# KiCad board SmartSpin2k_Panelized.kicad_pcb (continued)
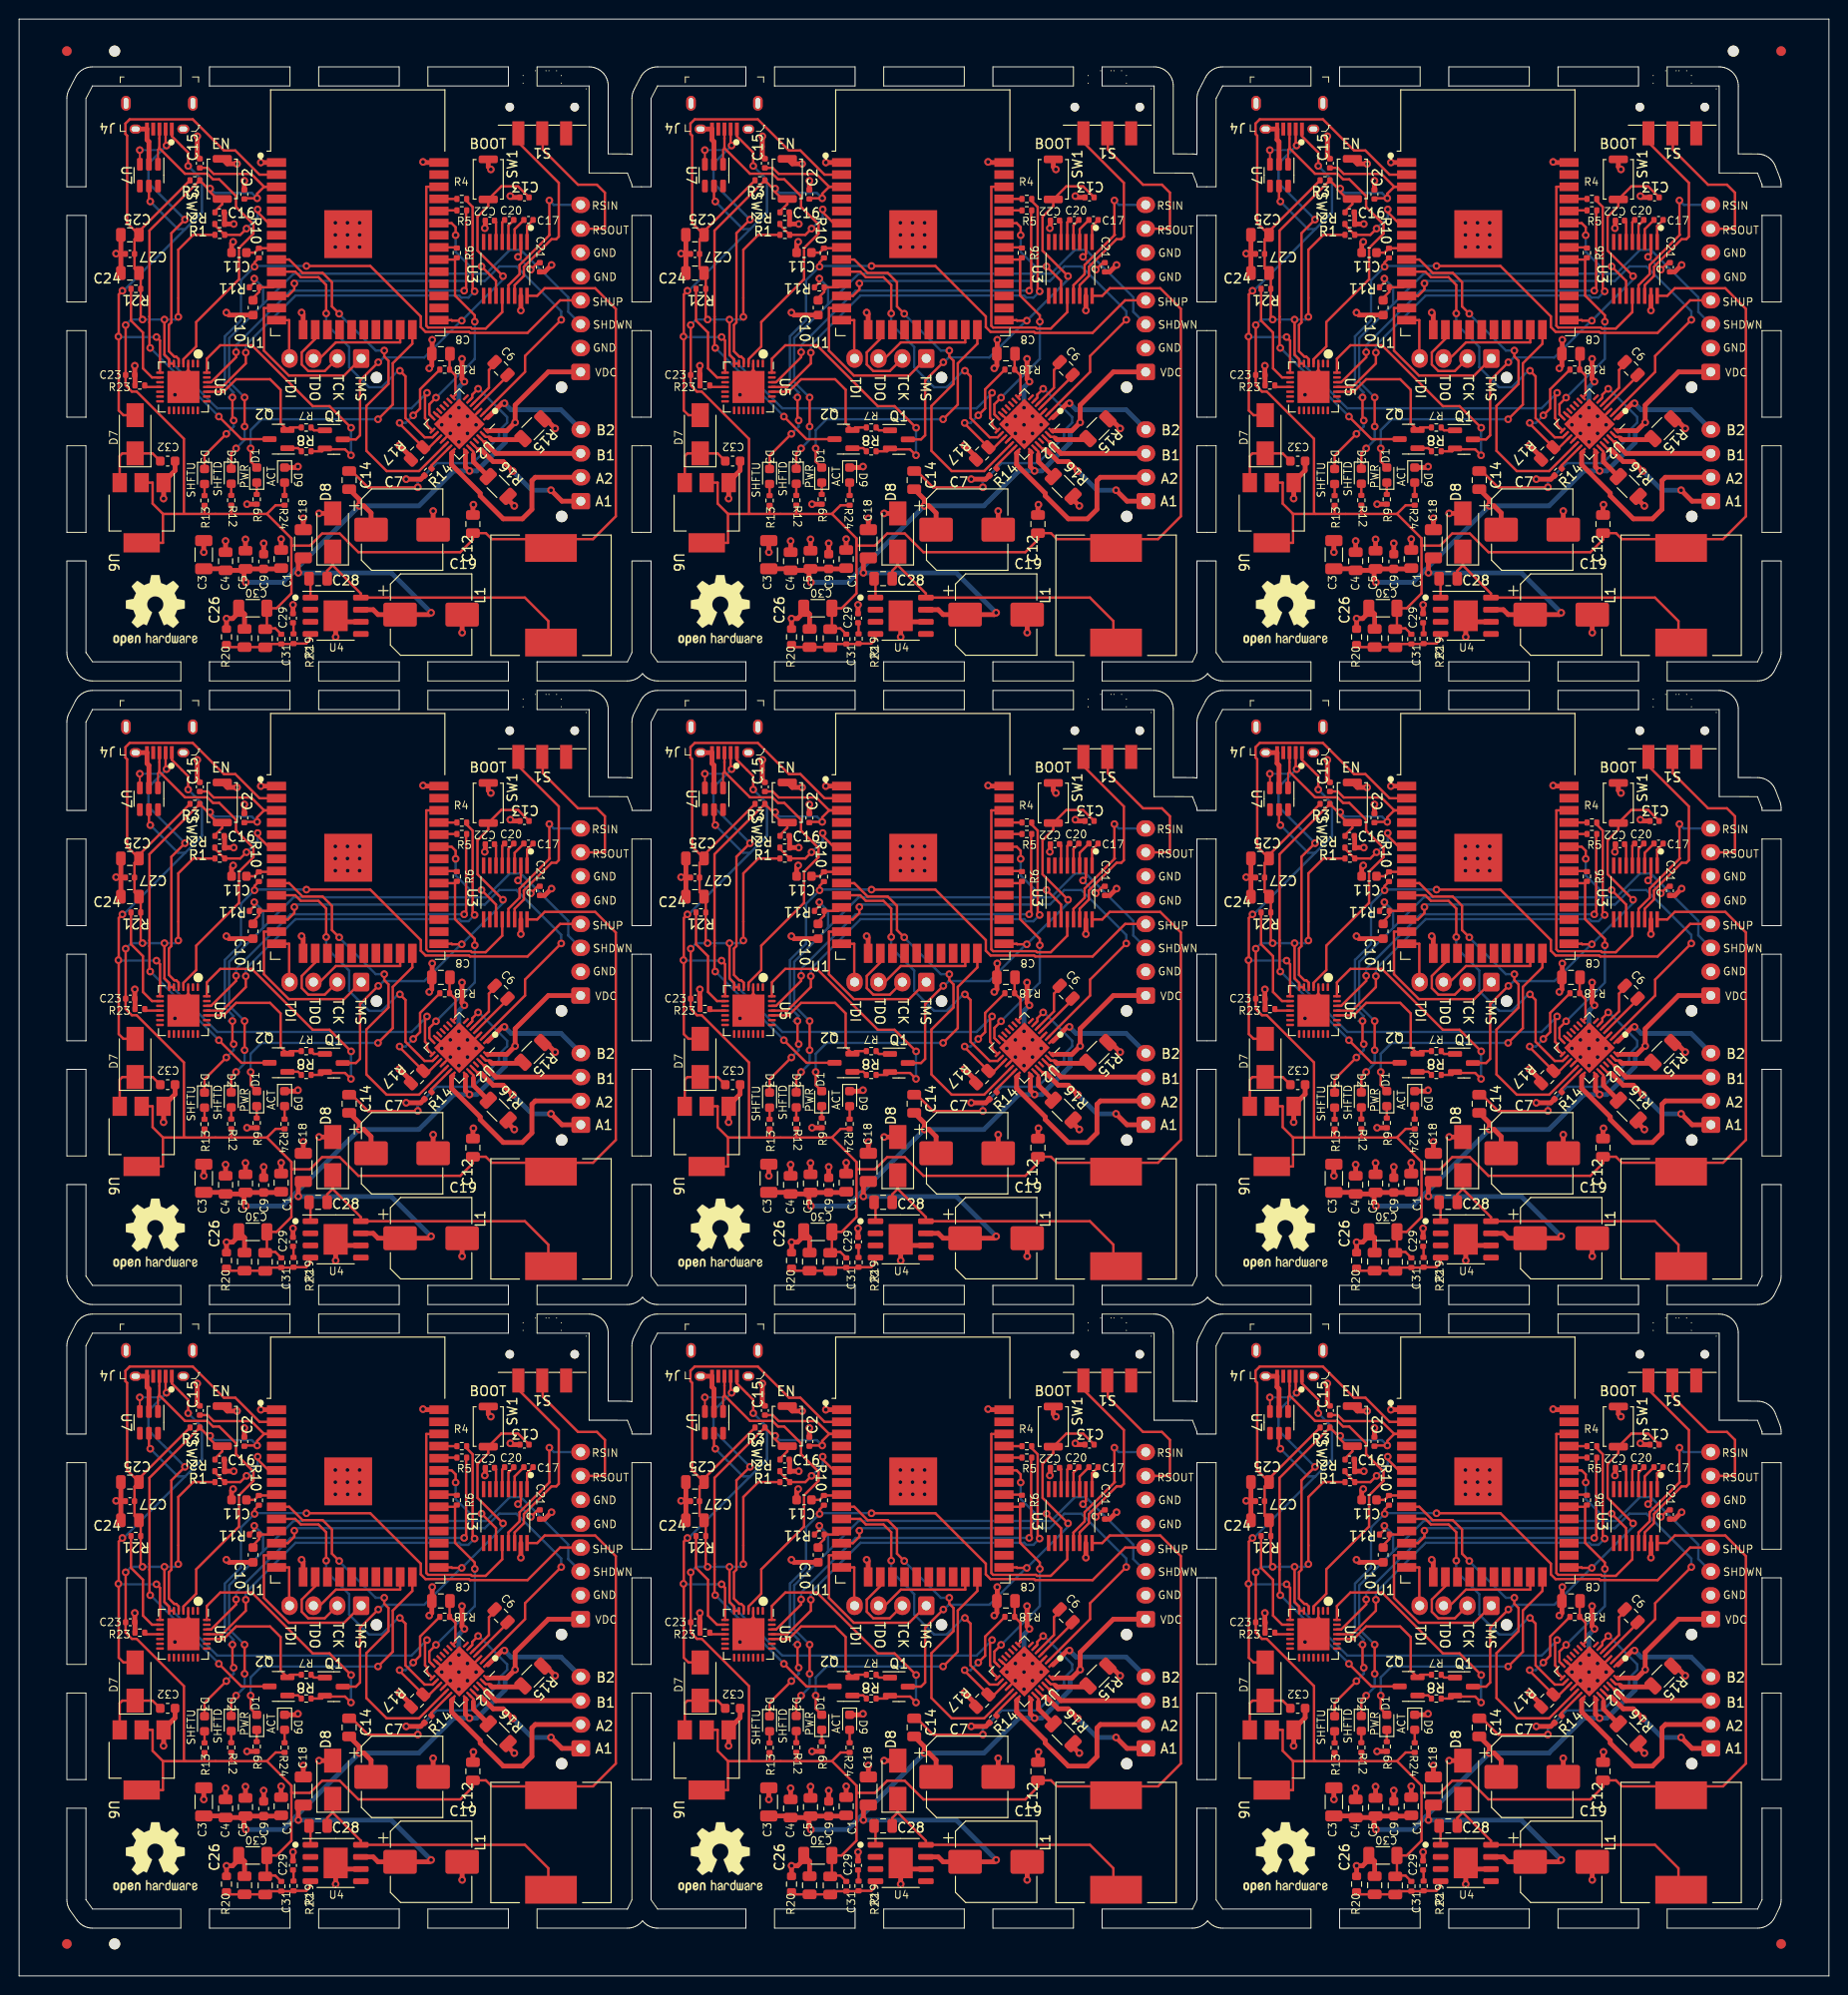
[diagram p0: board, top side]
## Routing (per net, layer and track width the routed paths; a pad name or vN(x,y) marks a point on that pad's centre or on a via; arc(x,y) is an arc through that point) (continued)
Board_3-/5V: length 4.9
  Top w0.25: C8.1 45.06,104.52 R18#3.1 45.67,102.29 45.67,100.27 U2#3.8
Board_3-/VBUS: length 50.8
  Top w0.25: v1(10.81,111.16) 10.43,110.77 10.43,106.4 v1(10.39,106.36) 10.43,106.32 10.43,98.62 10.92,98.12 D7#5.2 ; v1(17.7,124.23) 17.7,125.63 15.99,127.34 J4#3.1 ; U5#3.8 14.75,105.94 v1(14.38,106.31) ; U7#2.5 13.59,120.64 v1(13.73,120.5)
  Bottom w0.25: 17.39,117.61 19.14,119.36 19.14,122.79 v1(17.7,124.23) ; 17.39,117.61 16.62,117.61 v1(13.73,120.5) ; 17.39,117.61 10.94,111.16 v1(10.81,111.16) ; v1(14.38,106.31) 10.44,106.31 v1(10.39,106.36)
Board_4-/3V3: length 244.3
  Top w0.25: 85.09,87.79 81.35,87.79 ; 85.09,87.79 87.65,85.23 ; 85.09,87.79 86,88.7 R24#7.2 ; 78.56,87.79 78.56,87.79 R13#9.1 ; 78.56,87.79 81.35,87.79 ; 78.56,87.79 74.21,87.79 ; 74.21,87.79 73.13,88.87 73.13,91.06 U6.2 ; 74.21,87.79 74.21,84.76 U6.2 ; 87.65,85.23 87.65,79.46 86.1,77.91 C30#3.1 85.08,75.81 ; 87.65,85.23 87.65,84.47 89.6,84.47 90.87,85.74 92.71,85.74 94.66,83.78 105.33,83.78 106.65,85.1 C12#6.1 108.01,85.78 108.64,85.15 119.22,85.15 121.61,87.54 121.61,109.26 119.46,111.42 114.17,111.42 113.38,110.62 U3#4.16 ; v1(70.3,107.56) 70.3,102.33 C23#3.1 70.3,101.25 70.95,100.59 71.46,100.59 76.4,95.65 76.4,87.79 ; R1#6.1 77.37,117.01 75.81,115.45 v1(75.81,108.42) ; 85.08,75.81 85.97,75.81 R22#6.2 ; 85.08,75.81 85,75.81 C31.2 ; R12#6.2 81.36,87.79 81.35,87.79 ; C25.1 71.23,116.54 C27#4.1 71.23,113.48 C24#3.2 71.88,112.83 R21#6.1 71.88,108.33 v1(72.07,108.14) ; C25.1 71.7,117.38 R3#9.1 ; C25.1 70.46,118.25 70.46,127.4 70.28,127.57 70.28,128.66 70.72,129.1 77.33,129.1 80.59,125.84 81.78,125.84 84.31,123.31 U1#3.2 ; v1(101.85,100.47) 101.64,100.26 101.64,97.82 101.85,97.61 101.85,97.09 U2#6.15 ; U5#2.6 U5#2.7 74.85,103.98 74.36,104.47 v1(74.36,108.14)
  Bottom w0.25: v1(70.3,107.56) 70.88,108.14 v1(72.07,108.14) v1(74.36,108.14) ; v1(74.36,108.14) 74.36,104.37 79.89,98.84 100.22,98.84 v1(101.85,100.47) ; v1(74.36,108.14) 75.53,108.14 v1(75.81,108.42)
Board_4-/5V: length 4.9
  Top w0.25: C8#2.1 104.21,104.52 R18#5.1 104.82,102.29 104.82,100.27 U2#6.8
Board_4-/VBUS: length 50.8
  Top w0.25: v1(69.96,111.16) 69.58,110.77 69.58,106.4 v1(69.54,106.36) 69.58,106.32 69.58,98.62 70.07,98.12 D7#9.2 ; v1(76.85,124.23) 76.85,125.63 75.14,127.34 J4#5.1 ; U5#2.8 73.9,105.94 v1(73.53,106.31) ; U7#6.5 72.74,120.64 v1(72.88,120.5)
  Bottom w0.25: 76.54,117.61 78.29,119.36 78.29,122.79 v1(76.85,124.23) ; 76.54,117.61 75.77,117.61 v1(72.88,120.5) ; 76.54,117.61 70.09,111.16 v1(69.96,111.16) ; v1(73.53,106.31) 69.59,106.31 v1(69.54,106.36)
Board_5-/3V3: length 244.3
  Top w0.25: 144.24,87.79 140.5,87.79 ; 144.24,87.79 146.8,85.23 ; 144.24,87.79 145.15,88.7 R24#9.2 ; 137.71,87.79 137.71,87.79 R13#7.1 ; 137.71,87.79 140.5,87.79 ; 137.71,87.79 133.36,87.79 ; 133.36,87.79 132.28,88.87 132.28,91.06 U6#5.2 ; 133.36,87.79 133.36,84.76 U6#5.2 ; 146.8,85.23 146.8,79.46 145.25,77.91 144.24,77.91 144.24,75.81 ; 146.8,85.23 146.8,84.47 148.75,84.47 150.02,85.74 151.86,85.74 153.81,83.78 164.48,83.78 165.8,85.1 C12#2.1 167.16,85.78 167.79,85.15 178.38,85.15 180.76,87.54 180.76,109.26 178.6,111.42 173.32,111.42 172.53,110.62 U3#5.16 ; v1(129.45,107.56) 129.45,102.33 C23#7.1 129.45,101.25 130.1,100.59 130.61,100.59 135.55,95.65 135.55,87.79 ; R1.1 136.52,117.01 134.96,115.45 v1(134.96,108.42) ; 144.24,75.81 145.12,75.81 R22#8.2 ; 144.24,75.81 144.15,75.81 C31#7.2 ; R12#3.2 140.5,87.79 140.5,87.79 ; C25#7.1 130.38,116.54 C27#8.1 130.38,113.48 C24#6.2 131.03,112.83 R21#3.1 131.03,108.33 v1(131.22,108.14) ; C25#7.1 130.85,117.38 R3.1 ; C25#7.1 129.61,118.25 129.61,127.4 129.43,127.57 129.43,128.66 129.87,129.1 136.48,129.1 139.74,125.84 140.93,125.84 143.46,123.31 U1#7.2 ; v1(161,100.47) 160.79,100.26 160.79,97.82 161,97.61 161,97.09 U2#5.15 ; U5#9.6 U5#9.7 134,103.98 133.51,104.47 v1(133.51,108.14)
  Bottom w0.25: v1(129.45,107.56) 130.03,108.14 v1(131.22,108.14) v1(133.51,108.14) ; v1(133.51,108.14) 133.51,104.37 139.04,98.84 159.37,98.84 v1(161,100.47) ; v1(133.51,108.14) 134.68,108.14 v1(134.96,108.42)
Board_5-/5V: length 4.9
  Top w0.25: C8#3.1 163.36,104.52 R18#2.1 163.97,102.29 163.97,100.27 U2#5.8
Board_5-/VBUS: length 50.8
  Top w0.25: v1(129.11,111.16) 128.73,110.77 128.73,106.4 v1(128.69,106.36) 128.73,106.32 128.73,98.62 129.22,98.12 D7#4.2 ; v1(136,124.23) 136,125.63 134.29,127.34 J4#8.1 ; U5#9.8 133.05,105.94 v1(132.68,106.31) ; U7#5.5 131.89,120.64 v1(132.03,120.5)
  Bottom w0.25: 135.69,117.61 137.44,119.36 137.44,122.79 v1(136,124.23) ; 135.69,117.61 134.92,117.61 v1(132.03,120.5) ; 135.69,117.61 129.24,111.16 v1(129.11,111.16) ; v1(132.68,106.31) 128.74,106.31 v1(128.69,106.36)
Board_6-/3V3: length 244.3
  Top w0.25: 25.94,22.49 22.2,22.49 ; 25.94,22.49 28.5,19.93 ; 25.94,22.49 26.85,23.4 R24#8.2 ; 19.41,22.49 19.41,22.49 R13#4.1 ; 19.41,22.49 22.2,22.49 ; 19.41,22.49 15.06,22.49 ; 15.06,22.49 13.98,23.57 13.98,25.76 U6#9.2 ; 15.06,22.49 15.06,19.46 U6#9.2 ; 28.5,19.93 28.5,14.16 26.95,12.61 C30#7.1 25.94,10.51 ; 28.5,19.93 28.5,19.17 30.45,19.17 31.72,20.44 33.56,20.44 35.51,18.48 46.18,18.48 47.5,19.8 C12#7.1 48.86,20.48 49.49,19.85 60.08,19.85 62.46,22.24 62.46,43.96 60.31,46.12 55.02,46.12 54.23,45.32 U3#8.16 ; v1(11.15,42.26) 11.15,37.03 C23#2.1 11.15,35.95 11.8,35.29 12.31,35.29 17.25,30.35 17.25,22.49 ; R1#9.1 18.22,51.71 16.66,50.15 v1(16.66,43.12) ; 25.94,10.51 26.82,10.51 R22.2 ; 25.94,10.51 25.85,10.51 C31#4.2 ; R12#4.2 22.2,22.49 22.2,22.49 ; C25#5.1 12.08,51.24 C27#3.1 12.08,48.18 C24#5.2 12.73,47.53 R21#7.1 12.73,43.03 v1(12.92,42.84) ; C25#5.1 12.55,52.08 R3#6.1 ; C25#5.1 11.31,52.95 11.31,62.1 11.13,62.27 11.13,63.36 11.57,63.8 18.18,63.8 21.44,60.54 22.63,60.54 25.16,58.01 U1#5.2 ; v1(42.7,35.17) 42.49,34.96 42.49,32.52 42.7,32.31 42.7,31.79 U2#7.15 ; U5.6 U5.7 15.7,38.68 15.21,39.17 v1(15.21,42.84)
  Bottom w0.25: v1(11.15,42.26) 11.73,42.84 v1(12.92,42.84) v1(15.21,42.84) ; v1(15.21,42.84) 15.21,39.07 20.74,33.54 41.07,33.54 v1(42.7,35.17) ; v1(15.21,42.84) 16.38,42.84 v1(16.66,43.12)
Board_6-/5V: length 4.9
  Top w0.25: C8#5.1 45.06,39.22 R18#7.1 45.67,36.99 45.67,34.97 U2#7.8
Board_6-/VBUS: length 50.8
  Top w0.25: v1(10.81,45.86) 10.43,45.47 10.43,41.1 v1(10.39,41.06) 10.43,41.02 10.43,33.32 10.92,32.82 D7#2.2 ; v1(17.7,58.93) 17.7,60.33 15.99,62.04 J4#6.1 ; U5.8 14.75,40.64 v1(14.38,41.01) ; U7#7.5 13.59,55.34 v1(13.73,55.2)
  Bottom w0.25: 17.39,52.31 19.14,54.06 19.14,57.49 v1(17.7,58.93) ; 17.39,52.31 16.62,52.31 v1(13.73,55.2) ; 17.39,52.31 10.94,45.86 v1(10.81,45.86) ; v1(14.38,41.01) 10.44,41.01 v1(10.39,41.06)
Board_7-/3V3: length 244.3
  Top w0.25: 85.09,22.49 81.35,22.49 ; 85.09,22.49 87.65,19.93 ; 85.09,22.49 86,23.4 R24#2.2 ; 78.56,22.49 78.56,22.49 R13#3.1 ; 78.56,22.49 81.35,22.49 ; 78.56,22.49 74.21,22.49 ; 74.21,22.49 73.13,23.57 73.13,25.76 U6#4.2 ; 74.21,22.49 74.21,19.46 U6#4.2 ; 87.65,19.93 87.65,14.16 86.1,12.61 C30#8.1 85.08,10.51 ; 87.65,19.93 87.65,19.17 89.6,19.17 90.87,20.44 92.71,20.44 94.66,18.48 105.33,18.48 106.65,19.8 C12.1 108.01,20.48 108.64,19.85 119.22,19.85 121.61,22.24 121.61,43.96 119.46,46.12 114.17,46.12 113.38,45.32 U3.16 ; v1(70.3,42.26) 70.3,37.03 C23.1 70.3,35.95 70.95,35.29 71.46,35.29 76.4,30.35 76.4,22.49 ; R1#5.1 77.37,51.71 75.81,50.15 v1(75.81,43.12) ; 85.08,10.51 85.97,10.51 R22#7.2 ; 85.08,10.51 85,10.51 C31#9.2 ; R12#7.2 81.36,22.49 81.35,22.49 ; C25#9.1 71.23,51.24 C27#9.1 71.23,48.18 C24.2 71.88,47.53 R21#9.1 71.88,43.03 v1(72.07,42.84) ; C25#9.1 71.7,52.08 R3#7.1 ; C25#9.1 70.46,52.95 70.46,62.1 70.28,62.27 70.28,63.36 70.72,63.8 77.33,63.8 80.59,60.54 81.78,60.54 84.31,58.01 U1#9.2 ; v1(101.85,35.17) 101.64,34.96 101.64,32.52 101.85,32.31 101.85,31.79 U2#9.15 ; U5#4.6 U5#4.7 74.85,38.68 74.36,39.17 v1(74.36,42.84)
  Bottom w0.25: v1(70.3,42.26) 70.88,42.84 v1(72.07,42.84) v1(74.36,42.84) ; v1(74.36,42.84) 74.36,39.07 79.89,33.54 100.22,33.54 v1(101.85,35.17) ; v1(74.36,42.84) 75.53,42.84 v1(75.81,43.12)
Board_7-/5V: length 4.9
  Top w0.25: C8#7.1 104.21,39.22 R18#8.1 104.82,36.99 104.82,34.97 U2#9.8
Board_7-/VBUS: length 50.8
  Top w0.25: v1(69.96,45.86) 69.58,45.47 69.58,41.1 v1(69.54,41.06) 69.58,41.02 69.58,33.32 70.07,32.82 D7#7.2 ; v1(76.85,58.93) 76.85,60.33 75.14,62.04 J4.1 ; U5#4.8 73.9,40.64 v1(73.53,41.01) ; U7#8.5 72.74,55.34 v1(72.88,55.2)
  Bottom w0.25: 76.54,52.31 78.29,54.06 78.29,57.49 v1(76.85,58.93) ; 76.54,52.31 75.77,52.31 v1(72.88,55.2) ; 76.54,52.31 70.09,45.86 v1(69.96,45.86) ; v1(73.53,41.01) 69.59,41.01 v1(69.54,41.06)
Board_8-/3V3: length 244.3
  Top w0.25: 144.24,22.49 140.5,22.49 ; 144.24,22.49 146.8,19.93 ; 144.24,22.49 145.15,23.4 R24#3.2 ; 137.71,22.49 137.71,22.49 R13.1 ; 137.71,22.49 140.5,22.49 ; 137.71,22.49 133.36,22.49 ; 133.36,22.49 132.28,23.57 132.28,25.76 U6#7.2 ; 133.36,22.49 133.36,19.46 U6#7.2 ; 146.8,19.93 146.8,14.16 145.25,12.61 144.24,12.61 144.24,10.51 ; 146.8,19.93 146.8,19.17 148.75,19.17 150.02,20.44 151.86,20.44 153.81,18.48 164.48,18.48 165.8,19.8 C12#3.1 167.16,20.48 167.79,19.85 178.38,19.85 180.76,22.24 180.76,43.96 178.6,46.12 173.32,46.12 172.53,45.32 U3#2.16 ; v1(129.45,42.26) 129.45,37.03 C23#5.1 129.45,35.95 130.1,35.29 130.61,35.29 135.55,30.35 135.55,22.49 ; R1#7.1 136.52,51.71 134.96,50.15 v1(134.96,43.12) ; 144.24,10.51 145.12,10.51 R22#4.2 ; 144.24,10.51 144.15,10.51 C31#6.2 ; R12#9.2 140.5,22.49 140.5,22.49 ; C25#6.1 130.38,51.24 C27#5.1 130.38,48.18 C24#2.2 131.03,47.53 R21#4.1 131.03,43.03 v1(131.22,42.84) ; C25#6.1 130.85,52.08 R3#8.1 ; C25#6.1 129.61,52.95 129.61,62.1 129.43,62.27 129.43,63.36 129.87,63.8 136.48,63.8 139.74,60.54 140.93,60.54 143.46,58.01 U1#6.2 ; v1(161,35.17) 160.79,34.96 160.79,32.52 161,32.31 161,31.79 U2#4.15 ; U5#5.6 U5#5.7 134,38.68 133.51,39.17 v1(133.51,42.84)
  Bottom w0.25: v1(129.45,42.26) 130.03,42.84 v1(131.22,42.84) v1(133.51,42.84) ; v1(133.51,42.84) 133.51,39.07 139.04,33.54 159.37,33.54 v1(161,35.17) ; v1(133.51,42.84) 134.68,42.84 v1(134.96,43.12)
Board_8-/5V: length 4.9
  Top w0.25: C8#4.1 163.36,39.22 R18#6.1 163.97,36.99 163.97,34.97 U2#4.8
Board_8-/VBUS: length 50.8
  Top w0.25: v1(129.11,45.86) 128.73,45.47 128.73,41.1 v1(128.69,41.06) 128.73,41.02 128.73,33.32 129.22,32.82 D7#3.2 ; v1(136,58.93) 136,60.33 134.29,62.04 J4#7.1 ; U5#5.8 133.05,40.64 v1(132.68,41.01) ; U7.5 131.89,55.34 v1(132.03,55.2)
  Bottom w0.25: 135.69,52.31 137.44,54.06 137.44,57.49 v1(136,58.93) ; 135.69,52.31 134.92,52.31 v1(132.03,55.2) ; 135.69,52.31 129.24,45.86 v1(129.11,45.86) ; v1(132.68,41.01) 128.74,41.01 v1(128.69,41.06)
Board_0-/A1: length 13.8
  Top w0.25: 48.11,159.8 48.07,159.8 U2#2.24
  Top w0.5: J1.1 56.83,154.42 v1(55.68,155.57) ; 48.11,159.8 48.39,159.8 49.62,158.57 50.68,158.57 v1(51.68,157.57)
  Bottom w0.5: v1(51.68,157.57) 53.68,155.57 v1(55.68,155.57)
Board_0-/A2: length 21.1
  Top w0.25: 45.4,159.57 U2#2.21
  Top w0.5: 45.4,159.57 45.27,159.44 45.27,158.25 48.27,155.25 48.27,154.98 50.68,152.57 52.68,152.57 53.68,153.57 53.68,156.57 54.03,156.92 58.8,156.92
Board_0-/B1: length 11.3
  Top w0.25: 48.75,160.61 48.67,160.61 U2#2.26
  Top w0.5: 58.8,159.42 49.91,159.42 48.77,160.56
Board_0-/B2: length 11.7
  Top w0.25: 49.06,163.17 U2#2.1
  Top w0.5: v1(50.81,164.68) 50.56,164.68 49.06,163.17
  Bottom w0.5: v1(50.81,164.68) 51.49,163.99 56.73,163.99 58.8,161.92
Board_0-/BRA: length 3.9
  Top w0.25: U2#2.23 47.55,159.6 47.55,159.32
  Top w0.5: 47.55,159.32 47.55,158.55 R16#7.2
Board_0-/BRB: length 4.5
  Top w0.25: U2#2.27 48.84,161.15 49.2,161.15 49.33,161.02
  Top w0.5: 49.33,161.02 49.49,160.86 52.63,160.86 R15#7.2
Board_0-/D+: length 35.2
  Top w0.2: 14.69,191.38 14.54,191.24 U7#4.1
  Top w0.25: J4#9.3 14.69,191.38 17.36,188.71 19.71,188.71 20.29,188.13 20.95,188.13 22.71,186.37 22.71,185.23 24.53,183.41 24.53,182.44 23.02,180.93 23.02,177.65 18.54,173.18 18.54,170.62 17.2,169.28 U5#8.4
Board_0-/D-: length 32.7
  Top w0.2: U7#4.3 12.64,191.17 v1(12.63,191.18)
  Top w0.25: v1(17.36,183.91) 15.94,182.48 15.94,173.14 15.68,172.88 15.68,170.12 16.24,169.55 16.45,169.55 16.7,169.3 U5#8.5 ; v1(15.43,191.66) 15.34,191.76 J4#9.2
  Bottom w0.2: v1(12.63,191.18) 14.95,191.18 v1(15.43,191.66)
  Bottom w0.25: v1(17.36,183.91) 13.54,187.73 13.54,189.77 v1(15.43,191.66)
Board_0-/DriverDIR: length 38.8
  Top w0.25: U2#2.19 41.87,157.57 38.47,157.57 36.35,159.7 36.35,164.4 38.66,166.71 38.66,169.12 38.22,169.56 v1(38.22,170.19) ; v1(33.51,174.05) 32.75,174.81 32.75,177.35 31.77,178.32 29.67,178.32 28.27,179.72 U1#2.9
  Bottom w0.25: v1(38.22,170.19) 37.33,170.19 33.51,174.02 v1(33.51,174.05)
Board_0-/DriverEN: length 47.6
  Top w0.25: U1#2.12 28.13,175.91 28.81,176.59 v1(28.81,177.22) ; v1(56.75,173.41) 52.96,169.63 52.96,167.96 U2#2.2
  Bottom w0.25: v1(28.81,177.22) 29.06,177.48 48.75,177.48 50.27,179 52.05,179 56.75,174.3 v1(56.75,173.41)
Board_0-/DriverSTEP: length 31.7
  Top w0.25: U1#2.10 28.91,178.45 29.49,177.87 31.33,177.87 32.14,177.06 v1(32.14,174.08) ; U2#2.16 43.28,161.1 42.46,161.1 40.45,163.11 40.45,167.49 v1(39.86,168.08)
  Bottom w0.25: v1(32.14,174.08) 32.14,172.97 34.55,170.57 34.55,168.43 36.63,166.35 37.95,166.35 39.68,168.08 v1(39.86,168.08)
Board_0-/DTR: length 28.2
  Top w0.25: v1(34.75,162.11) 32.49,164.37 30.74,164.37 24.36,170.75 21.06,170.75 19.65,169.34 U5#8.28 ; v1(34.74,159.23) 34.12,159.85 32.1,159.85 Q1#3.2 31.72,159.65 R8#3.1
  Bottom w0.25: v1(34.75,162.11) 34.74,162.1 v1(34.74,159.23)
Board_0-/EN: length 59.6
  Top w0.25: v1(20.91,163.28) 23.27,160.92 26.15,160.92 ; v1(13.72,170.47) 13.65,170.54 13.65,173.14 13.65,173.14 13.65,173.74 13.65,173.74 13.65,182.76 R3#4.2 19.78,187.15 v1(20,187.15) 20,186.8 20.73,186.07 SW2#7.2 21.27,185.53 20.51,184.77 C16#9.1 ; C2#8.1 23.58,186.06 23.66,186.14 v1(24.92,186.14) 24.92,186.62 25.65,187.34 U1#2.3 25.65,187.34 24.3,188.69 20.36,188.69 19.74,189.32 C15#4.1
  Bottom w0.25: v1(13.72,170.47) 13.75,170.47 20.91,163.3 v1(20.91,163.28) ; v1(24.92,186.14) 24.36,186.7 20.45,186.7 v1(20,187.15)
Board_0-/IO0_BOOT: length 44.7
  Top w0.25: v1(37.6,168.97) 35.69,167.06 35.69,161.32 35.26,160.89 Q1#3.3 ; C13.1 53.38,186.24 52.23,187.38 50.47,187.38 SW1#5.1 49.11,185.33 47.99,184.21 47.99,180.65 v1(50.65,177.99) ; v1(46.34,173.32) 45.32,173.32 45.27,173.37 U1#2.25
  Bottom w0.25: v1(50.65,177.99) 50.65,177.64 v1(46.34,173.32) 46.27,173.32 42.42,169.47 38.16,169.47 37.66,168.97 v1(37.6,168.97)
Board_0-/R1OUT: length 26.4
  Top w0.25: U3#9.12 50.57,174.22 48.84,172.49 47.4,172.49 47.29,172.6 42.81,172.6 42.62,172.79 42.62,187.34 U1#2.36
Board_0-/REG_5V: length 7.5
  Top w0.25: U6#3.3 10.53,159.15 10.81,159.42 D7.1 13.97,159.42 C32#4.2
Board_0-/RS232IN1: length 15.3
  Top w0.25: U3#9.13 51.22,177.03 52.39,178.2 52.39,179.15 55.55,182.31 55.5,182.35 v1(55.5,185.91)
  Bottom w0.25: J3#2.8 55.96,185.45 v1(55.5,185.91)
Board_0-/RS232OUT1: length 16.4
  Top w0.25: 54.68,192.82 54.82,192.68 54.82,191.25 58.5,187.56 60.48,187.56 61.32,186.72 61.32,182.91 61.28,182.95 J3#2.7
Board_0-/RTS: length 14.8
  Top w0.25: R7#7.2 28.36,162.14 Q2.2 27.37,162.58 27.37,166.08 26.27,167.19 22.71,167.19 21.4,165.88 U5#8.24
Board_0-/RXD0: length 40.2
  Top w0.25: R5.2 46.79,184.81 46.79,176.67 v1(46.59,176.46) ; v1(22.71,170.02) 22.71,169.49 20.1,166.88 U5#8.26
  Bottom w0.25: v1(22.71,170.02) 22.71,170.75 28.43,176.46 v1(46.59,176.46)
Board_0-/ShiftDown: length 63.9
  Top w0.25: v1(22.71,159.95) 22.2,159.44 D2#2.1 ; R11#4.2 24.62,177.33 v1(24.62,177.73) ; v1(23.6,165.28) v1(23.6,162.24)
  Bottom w0.25: 25.53,175.04 21.99,171.49 21.99,166.9 v1(23.6,165.28) ; 25.53,175.04 28.73,178.24 48.87,178.24 51.37,180.73 52.52,180.73 57.48,175.77 57.48,174.25 J3#2.3 ; 25.53,175.04 25.53,176.82 v1(24.62,177.73) ; v1(22.71,159.95) 23.6,160.84 v1(23.6,162.24)
Board_0-/ShiftUp: length 65
  Top w0.25: v1(21.69,161.47) 19.41,159.19 D3#3.1 ; J3#2.4 56.63,175.45 53.22,172.04 47.21,172.04 47.11,172.15 42.55,172.15 42.05,172.65 42.05,173.76 36.76,179.05 v1(30.08,179.05) ; R10#6.2 24.64,179.43 v1(24.64,178.98) ; v1(22.33,165.28) 22.33,163 v1(22.46,162.87)
  Bottom w0.25: v1(22.46,162.87) 22.46,162.24 v1(21.69,161.47) ; v1(30.08,179.05) 30.07,179.05 24.72,179.05 v1(24.64,178.98) 23.22,177.55 23.22,173.36 21.54,171.68 21.54,166.71 22.45,165.8 21.94,165.28 v1(22.33,165.28)
Board_0-/T1IN: length 11.6
  Top w0.25: U1#2.33 45.27,183.53 45.7,183.11 v1(45.7,182.27) ; U3#9.11 49.92,177.48 v1(48.41,179)
  Bottom w0.25: v1(48.41,179) 47.22,179 45.7,180.53 v1(45.7,182.27)
Board_0-/TMCUART1: length 21.5
  Top w0.25: v1(43.64,165.26) 42.94,164.57 42.94,163.51 U2#2.14 ; 45.63,179.72 R6#2.1 ; 45.63,179.72 U1#2.30 ; 45.63,179.72 45.63,175.95 47.7,173.88 v1(47.7,173.22)
  Bottom w0.25: v1(47.7,173.22) 47.7,169.32 v1(43.64,165.26)
Board_0-/TMCUART2: length 1.9
  Top w0.25: U1#2.31 45.76,180.99 R6#2.2
Board_0-/TXD0: length 43.5
  Top w0.25: v1(47.68,176.39) 47.48,176.6 47.48,185.22 46.85,185.85 R4.2 ; v1(23.73,169.98) 23.73,168.84 21.27,166.38 U5#8.25
  Bottom w0.25: v1(47.68,176.39) 47.03,175.74 46.29,175.74 46.07,175.95 28.94,175.95 23.73,170.75 v1(23.73,169.98)
Board_0-/VDC: length 92.1
  Top w0.25: U2#2.28 49.02,161.81 49.03,161.81 ; 46.72,159.62 46.72,159.64 U2#2.22
  Top w0.5: C7#5.1 36.84,153.19 36.1,153.93 v1(35.61,153.93) 35.61,154.61 C14#4.1 ; 23.54,147.18 C5#5.1 23.7,147.33 C9#8.1 27.35,147.33 C1#5.1 ; 23.54,147.18 23.54,146.11 v1(23.73,145.92) ; 23.54,147.18 C4#8.1 21.45,147.34 19.33,147.34 ; U4#9.7 37.07,143.06 37.58,142.55 C19#4.1 42.93,142.55 v1(43.13,142.74) ; 29.75,148.49 29.23,147.96 v1(29.23,146.92) ; J3#2.1 55.4,167.95 51.92,164.48 v1(51.92,162.67) 51.06,161.81 49.03,161.81 ; v1(47.15,157.59) 46.72,158.02 46.72,159.62
  Bottom w0.5: v1(23.73,145.92) 27.6,145.92 28.91,147.23 ; 28.91,147.23 v1(35.61,153.93) 41.85,153.93 45.5,157.59 v1(47.15,157.59) 47.91,157.59 50.88,160.56 50.88,161.63 v1(51.92,162.67) ; 28.91,147.23 29.22,146.92 v1(29.23,146.92) 29.24,146.91 38.96,146.91 v1(43.13,142.74)
Board_0-GND: length 91.3
  Top w0.25: 44.24,162.98 43.7,163.53 U2#2.13 ; 17.7,167.98 U5#8.3 ; 44.93,161.34 U2#2.18 ; 47.58,163.29 U2#2.3
  Top w0.5: C13.2 51.55,186.23 v1(51.42,186.37) ; v1(27.43,150.45) C1#5.2 ; v1(43.34,153.39) C7#5.2 ; U7#4.2 13.59,192.06 13.39,192.27 J4#9.5 J4#9.SH ; v1(56.11,162.03) 55.11,163.04 R15#7.1 ; v1(29.19,158.05) 29.09,157.94 D9#6.1 ; v1(42.28,189.95) 42.43,189.95 42.5,189.88 U1#2.38 ; R16#7.1 51.18,154.59 v1(51.84,153.93) ; v1(15.12,154.69) 15.13,154.7 U6#3.1 15.13,156.43 16.32,157.63 C32#4.1 ; 17.7,167.98 17.7,166.95 v1(16.31,165.56) 16.39,165.56 U5#8.29 ; v1(55.73,179.15) 55.01,178.43 C21#9.2 ; v1(47.55,154.06) 47.5,154.01 C12#8.2 ; SW2#7.1 21.79,189.75 v1(22.81,189.75) ; C10#5.2 21.96,173.91 v1(21.7,174.18) ; C11#7.2 22.24,181.42 v1(22.41,181.58) ; R23#3.1 12.13,167.61 C23#8.2 v1(12.11,168.6) ; C3#8.2 19.33,149.08 v1(19.33,149.08) ; R17#5.2 41.02,159.05 v1(39.81,160.26) ; v1(43.24,171.32) 43.24,169.9 C8#6.2 43.2,168.6 v1(42.93,168.33) ; 10.65,180.31 10.65,180.35 ; 10.65,180.31 C24#7.1 ; 10.65,180.31 C27.2 ; 10.65,180.35 C25#2.2 ; 10.65,180.35 v1(10.15,180.35) ; U4#9.9 33.14,141.79 ; 33.14,141.79 v1(33.14,140.21) ; 33.14,141.79 U4#9.6 ; v1(25.6,150.01) 25.6,148.88 ; v1(21.61,150.25) C4#8.2 ; D8.2 31.4,153.14 v1(31.4,153.14) ; R20#2.2 v1(21.71,142.13) 22.34,142.13 22.98,142.77 C30#9.2 23.6,142.59 C26#7.2 ; 47.58,163.29 46.96,163.29 v1(46.94,163.31) ; v1(22.47,183.45) R2#9.1 21.51,184.62 C16#9.2 ; v1(25.3,189.88) U1#2.1 ; v1(52.52,174.39) U3#9.15 ; C18#4.2 v1(29.75,152.62) ; R9#9.1 23.86,154.11 v1(23.86,154.11) ; SW1#5.2 49.11,189.43 v1(49.38,189.16) ; v1(46.38,140.65) C19#4.2 ; 48.8,183.8 48.8,183.05 v1(48.75,183) ; v1(44.24,162.42) 44.24,162.98 ; v1(46.04,162.42) 46.08,162.46 U2#2.29 ; v1(40.52,156.73) 42.04,156.73 R14.1 ; C15#4.2 18.65,190.55 v1(18.65,192.63) ; C29#7.2 v1(28.67,143.57) ; 29.73,172.37 29.73,174.01 v1(29.57,174.18) ; v1(34.37,182.3) 34.45,182.38 U1#2.39 ; v1(46.61,166.94) 46.36,167.19 v1(46.36,169.32) ; v1(23.7,150.42) C5#5.2 ; 44.93,161.34 45.11,161.52 v1(45.14,161.52) ; v1(23.58,187.97) C2#8.2
  Bottom w0.5: v1(46.04,164.21) 46.04,166.36 v1(46.61,166.94)
  vias: v1(33.1,183.57) v1(33.1,182.3) v1(33.1,181.03) v1(34.37,183.57) v1(34.4,181.03) v1(35.64,183.57) v1(35.64,182.3) v1(35.64,181.03) v1(45.14,163.31) v1(46.04,160.62) v1(46.94,161.52) v1(47.83,162.42)
Board_0-Net-(C6-Pad1): length 5.4
  Top w0.25: C6#4.1 49.78,168.75 49.18,168.16 49.18,166.3 47.47,164.59 U2#2.5
Board_0-Net-(C6-Pad2): length 4.8
  Top w0.25: C6#4.2 51.12,167.53 U2#2.4
Board_0-Net-(C10-Pad1): length 3.6
  Top w0.25: C10#5.1 24.49,175.7 25.13,176.34 R11#4.1 26.58,176.82 U1#2.11
Board_0-Net-(C11-Pad1): length 3.4
  Top w0.25: C11#7.1 24.64,180.45 R10#6.1 26.86,180.91 U1#2.8
Board_0-Net-(C14-Pad2): length 27.3
  Top w0.25: v1(41.74,155.88) 41.72,155.86 36.53,155.86 34.82,157.57 C14#4.2 ; U2#2.6 47.44,165.26 47.44,165.58 v1(48.05,166.19)
  Bottom w0.25: v1(41.74,155.88) 41.72,155.89 41.72,156.42 43.7,158.4 47.48,158.4 50.23,161.15 50.23,161.79 51.08,162.64 51.08,163.23 48.12,166.19 v1(48.05,166.19)
Board_0-Net-(C17-Pad1): length 2.7
  Top w0.25: C17#6.1 51.87,182.9 U3#9.3
Board_0-Net-(C17-Pad2): length 2.6
  Top w0.25: C17#6.2 53.8,183.86 53.17,183.23 U3#9.1
Board_0-Net-(C20-Pad1): length 2.4
  Top w0.25: U3#9.5 50.57,183.62 C20#7.1
Board_0-Net-(C20-Pad2): length 2.5
  Top w0.25: U3#9.4 51.22,183.3 51.78,183.86 C20#7.2
Board_0-Net-(C21-Pad1): length 4.8
  Top w0.25: C21#9.1 54.29,179.39 v1(53.56,178.66) ; v1(52.22,180.01) 52.52,180.31 U3#9.2
  Bottom w0.25: v1(53.56,178.66) v1(52.22,180.01)
Board_0-Net-(C22-Pad1): length 2.3
  Top w0.25: 49.76,183.8 49.92,183.64 U3#9.6
Board_0-Net-(C26-Pad1): length 9.8
  Top w0.25: U4#9.4 30.5,139.95 30.06,139.51 R19#2.1 28.68,139.47 R22#9.1 26.11,139.47 C31#8.1 25.74,139.14 C26#7.1 21.95,139.14 R20#2.1
Board_0-Net-(C28-Pad1): length 2
  Top w0.25: C28#7.1 30.5,146.16 U4#9.1
Board_0-Net-(C28-Pad2): length 31.4
  Top w0.25: 32.83,148.35 32.83,147.7 35.77,144.76 U4#9.8 52.94,144.33 55.4,141.87 55.4,139.45 ; 32.83,148.35 D8.1 ; 32.83,148.35 32.83,147.72 32.25,147.14 C28#7.2
Board_0-Net-(C29-Pad1): length 1.2
  Top w0.25: R19#2.2 28.73,141.63 C29#7.1
Board_0-Net-(D1-Pad1): length 1.2
  Top w0.25: D1#8.1 R9#9.2
Board_0-Net-(D1-Pad2): length 28.8
  Top w0.25: v1(37.57,163) 39.11,164.54 39.11,168.86 41.16,170.91 U1#2.24 ; v1(24.24,159.95) 24.24,158.58 D1#8.2
  Bottom w0.25: v1(24.24,159.95) 24.24,161.86 25.38,163 v1(37.57,163)
Board_0-Net-(D2-Pad2): length 1.2
  Top w0.25: R12.1 D2#2.2
Board_0-Net-(D3-Pad2): length 1.2
  Top w0.25: D3#3.2 R13#2.2
Board_0-Net-(D9-Pad2): length 1.4
  Top w0.25: R24#4.1 D9#6.2
Board_0-Net-(J2-Pad1): length 17.8
  Top w0.25: J2#7.1 34.02,167.58 28.23,167.58 25.62,170.19 25.62,174.64 U1#2.13
Board_0-Net-(J2-Pad2): length 8.8
  Top w0.25: J2#7.2 31.99,168.05 30.27,168.05 29.58,168.73 29.58,170 31,171.42 U1#2.16
Board_0-Net-(J2-Pad3): length 11.1
  Top w0.25: U1#2.23 39.89,171.05 33.15,171.05 31.47,169.37 J2#7.3
Board_0-Net-(J2-Pad4): length 5.4
  Top w0.25: U1#2.14 28.27,173.37 28.27,169.37 J2#7.4
Board_0-Net-(Q1-Pad1): length 1.6
  Top w0.25: Q1#3.1 30.86,161.84 R7#7.1
Board_0-Net-(Q2-Pad1): length 1.6
  Top w0.25: Q2.1 28.1,159.98 29.21,159.98 R8#3.2
Board_0-Net-(R1-Pad2): length 9.4
  Top w0.25: R2#9.2 20.49,183.34 R1#2.2 23.15,182.31 v1(23.81,182.96) ; U1#2.6 26.12,183.53 24.97,184.68 v1(24.97,184.97)
  Bottom w0.25: v1(23.81,182.96) 24.97,184.13 v1(24.97,184.97)
Board_0-Net-(R4-Pad1): length 1.9
  Top w0.25: R4.1 43.95,186.07 U1#2.35
Board_0-Net-(R5-Pad1): length 1.9
  Top w0.25: U1#2.34 44.01,184.87 R5.1
Board_0-Net-(R14-Pad2): length 3
  Top w0.25: U2#2.20 43.16,158.16 43.16,157.85
Board_0-Net-(R17-Pad1): length 13.4
  Top w0.25: v1(41.26,163.41) 41.98,164.13 41.98,166.14 R18#9.2 ; v1(39.83,162.62) 39.83,162.54 R17#5.1 42.95,160.06 U2#2.17
  Bottom w0.25: v1(39.83,162.62) 40.46,162.62 v1(41.26,163.41)
Board_0-Net-(R21-Pad2): length 11
  Top w0.25: U5#8.9 13.91,167.38 12.96,168.33 12.96,172.08 11.71,173.33 R21.2
Board_0-Net-(R23-Pad2): length 1.7
  Top w0.25: U5#8.11 13.31,166.38 R23#3.2
Board_0-Net-(S1-Pad3): length 20.9
  Top w0.25: U3#9.14 51.87,177.05 52.84,178.01 52.84,178.96 55.73,181.86 56.23,181.86 56.5,182.13 56.5,187.75 52.18,192.07 52.18,192.82
Board_1-/A1: length 13.8
  Top w0.25: 107.26,159.8 107.22,159.8 U2#8.24
  Top w0.5: J1#5.1 115.98,154.42 v1(114.83,155.57) ; 107.26,159.8 107.54,159.8 108.77,158.57 109.83,158.57 v1(110.83,157.57)
  Bottom w0.5: v1(110.83,157.57) 112.83,155.57 v1(114.83,155.57)
Board_1-/A2: length 21.1
  Top w0.25: 104.55,159.57 U2#8.21
  Top w0.5: 104.55,159.57 104.42,159.44 104.42,158.25 107.42,155.25 107.42,154.98 109.83,152.57 111.83,152.57 112.83,153.57 112.83,156.57 113.18,156.92 117.95,156.92
Board_1-/B1: length 11.3
  Top w0.25: 107.9,160.61 107.82,160.61 U2#8.26
  Top w0.5: 117.95,159.42 109.06,159.42 107.92,160.56
Board_1-/B2: length 11.7
  Top w0.25: 108.21,163.17 U2#8.1
  Top w0.5: v1(109.96,164.68) 109.71,164.68 108.21,163.17